# Altium PCB rt1062-ref.PcbDoc (part 1 of 4) (continued)
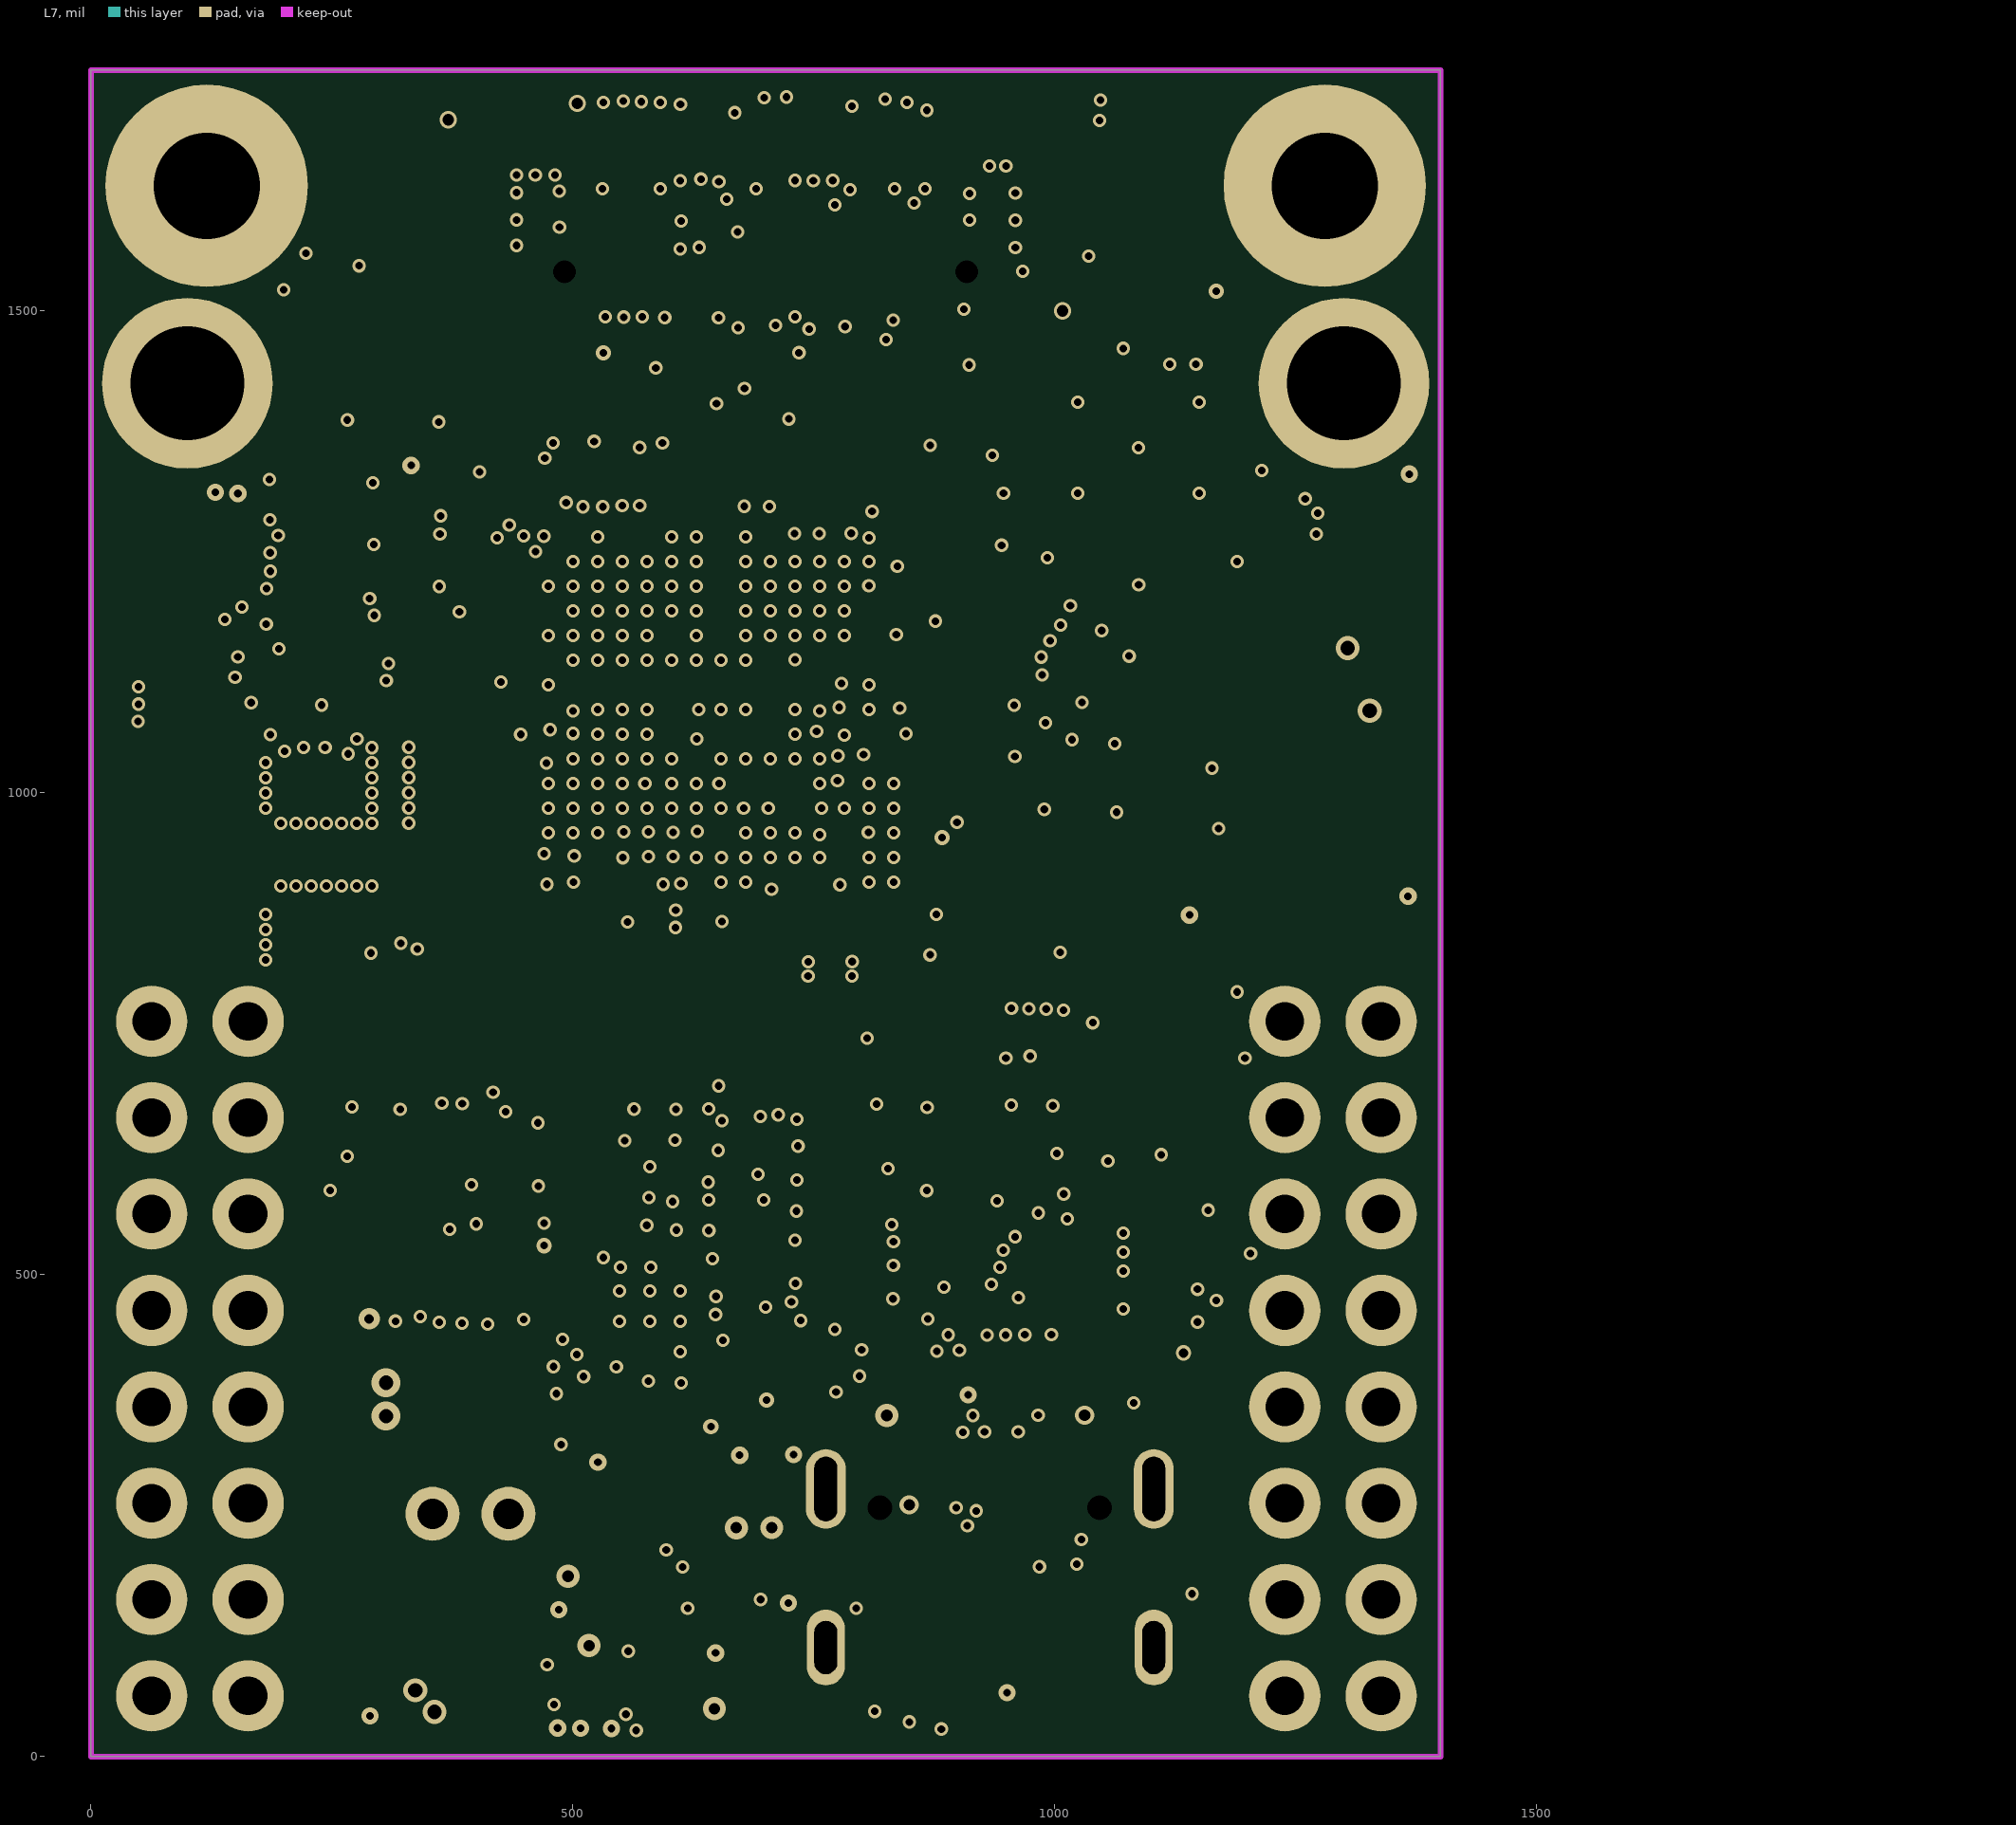
[diagram p7: L7]
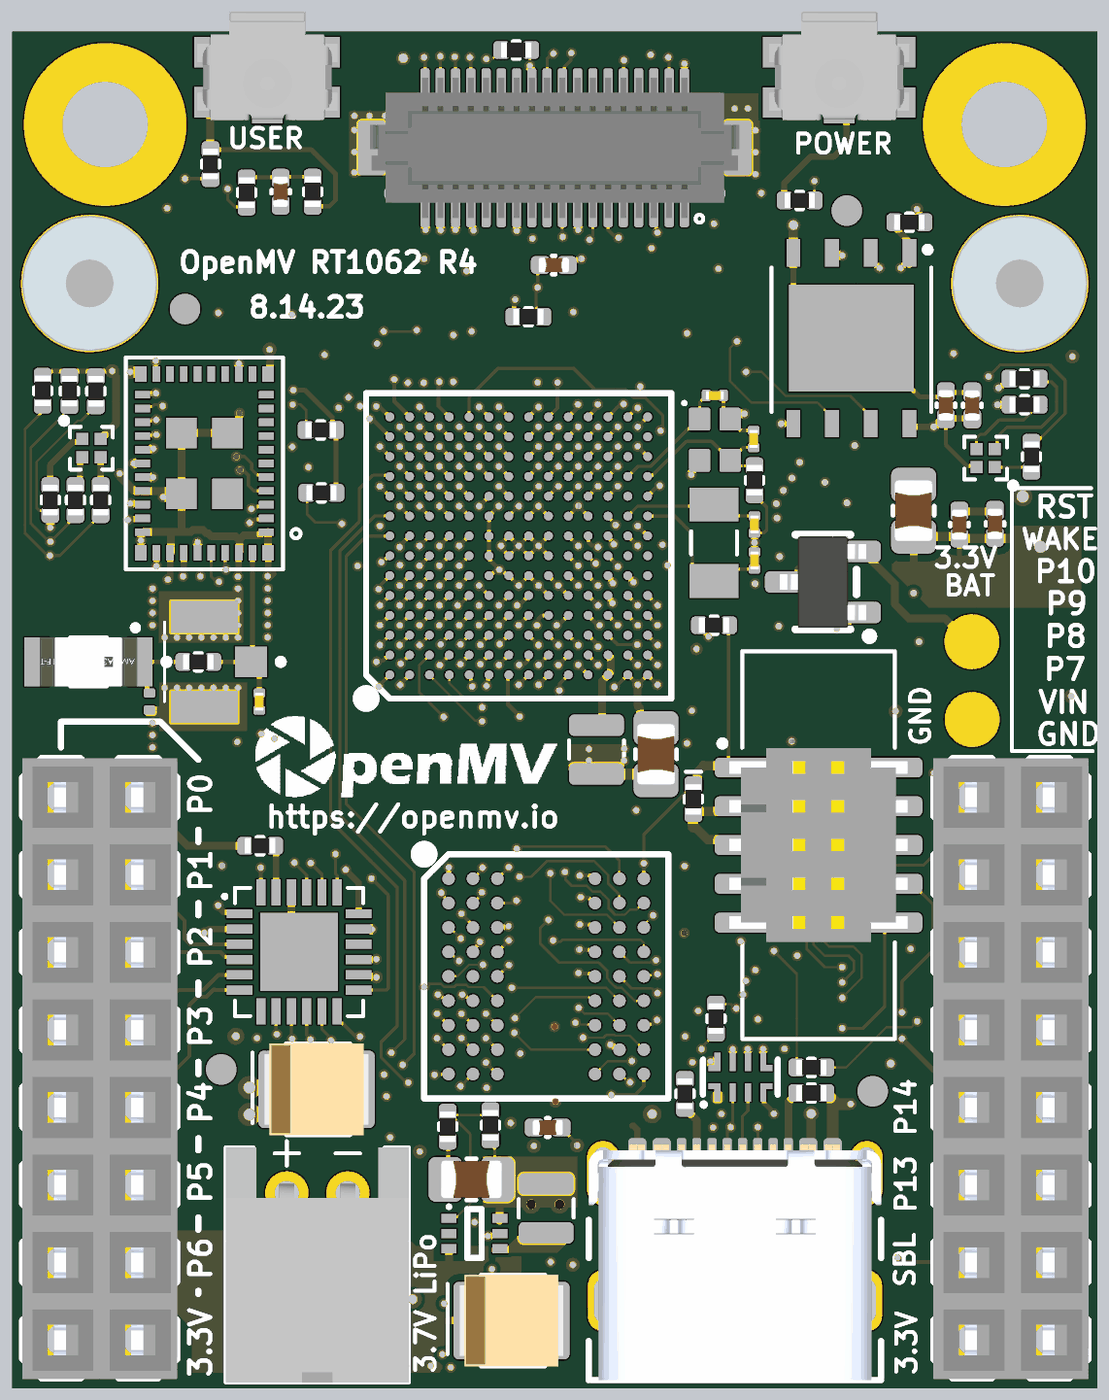
[diagram p11: 3D render of the assembled board from above, using the file's embedded part models]
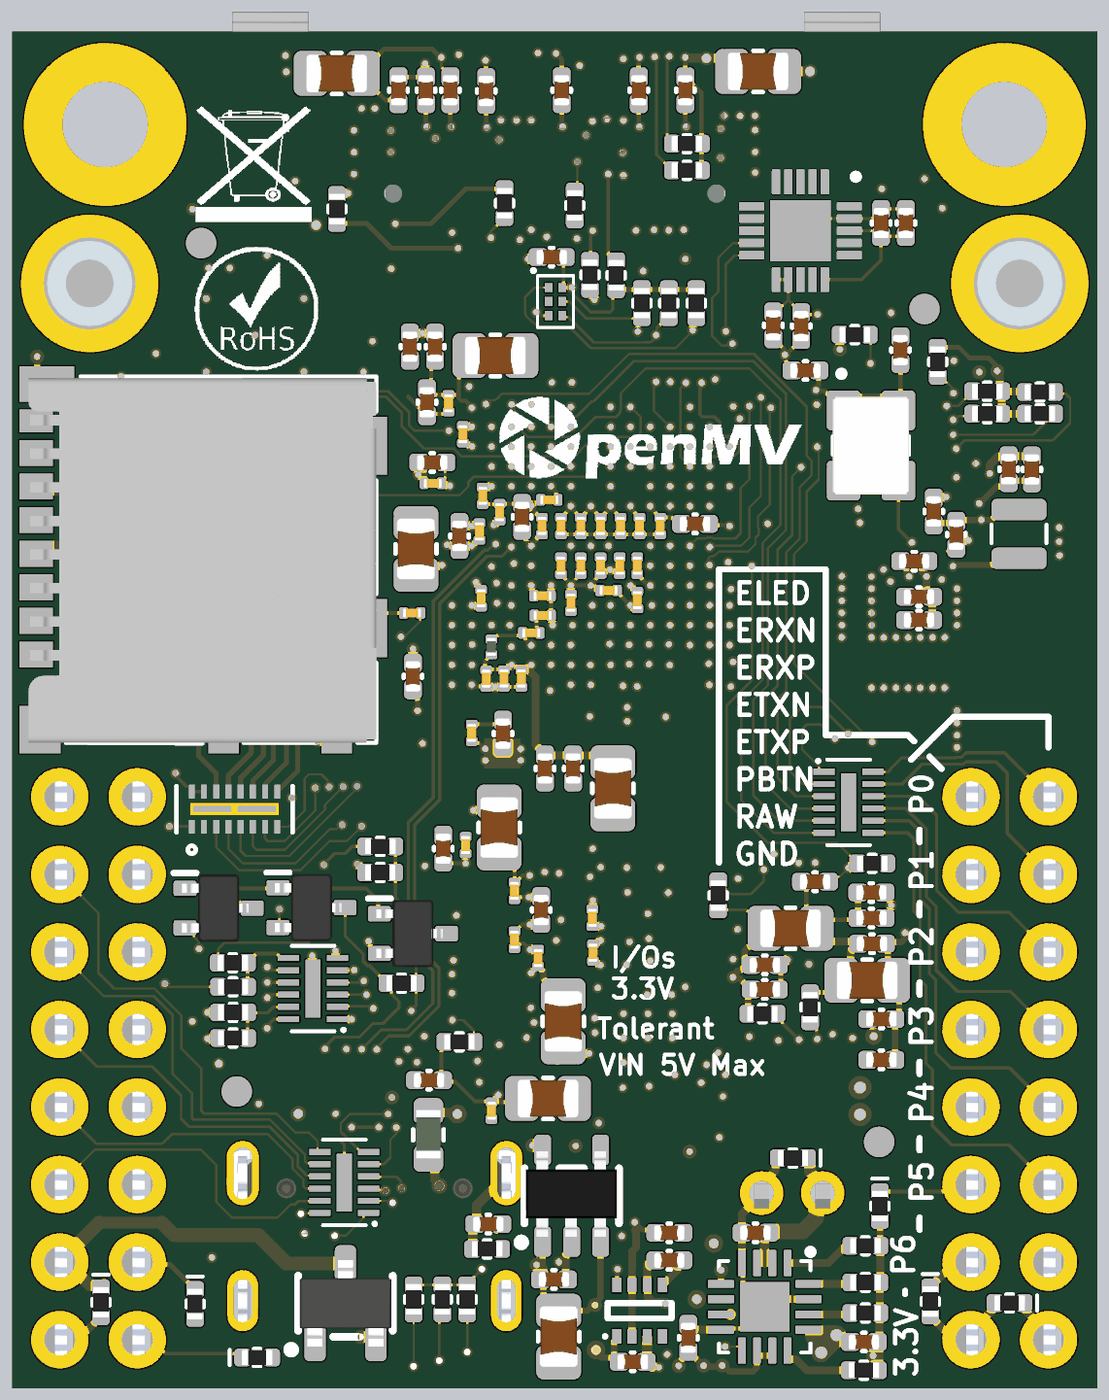
[diagram p12: 3D render of the assembled board from below, using the file's embedded part models]

## Layer stack, top to bottom
Top Solder: solder mask 0.4, Solder Resist, Dk 3.5
Top: signal copper 0.689
Dielectric 1: dielectric 2.874, FR-4, Dk 4.8
L2: signal copper 1.378
Dielectric 4: core 7.0866, FR-4, Dk 4.8
L3: signal copper 1.378
Dielectric2: dielectric 5.5118, FR-4, Dk 4.8
L4: signal copper 1.378
Dielectric 5: core 5.9059, FR-4, Dk 4.8
L5: signal copper 1.378
Dielectric 6: core 5.5118, FR-4, Dk 4.8
L6: signal copper 1.378
Dielectric3: dielectric 7.0866, FR-4, Dk 4.8
L7: signal copper 1.378
Dielectric 7: core 2.874, FR-4, Dk 4.8
Bottom: signal copper 0.7087
Bottom Solder: solder mask 0.4, Solder Resist, Dk 3.5

## Board outline
0,0 1400,0 1400,1750 0,1750

## Design rules (kind name [scope] priority, off if disabled: settings)
BoardOutlineClearance mdCopperDimension [All] p1: gap=3 ignorepadtopadclearanceinfootprint=FALSE except(5: SMDPad-OutlineEdge; 15: Arc-OutlineEdge Track-OutlineEdge THPad-OutlineEdge Via-OutlineEdge Fill-OutlineEdge Region-OutlineEdge; 20: Poly-OutlineEdge)
Clearance [All] p1: gap=4 ignorepadtopadclearanceinfootprint=FALSE except(5: SMDPad-Fill SMDPad-Poly SMDPad-Region; 7: THPad-Fill THPad-Poly THPad-Region)
ComponentClearance antenna [InComponent('J7') vs InComponent('L7')] p1: gap=0 collisioncheckmode=3 verticalgap=0 showdistances=FALSE
ComponentClearance Logos [InComponent('P1') or InComponent('P2') or InComponent('P3') or InComponent('P4') or InComponent('ANT1')   or InComponent('C78') or InComponent('C77')] p2: gap=0 collisioncheckmode=3 verticalgap=0 showdistances=FALSE
ComponentClearance "io headers" [InComponent('J2')      or InComponent('J3')        or InComponent('J9')] p3: gap=0 collisioncheckmode=3 verticalgap=0 showdistances=FALSE
ComponentClearance [All] p4: gap=5 collisioncheckmode=3 verticalgap=5 showdistances=FALSE
DiffPairsRouting [All] p1: maxlimit=4 minlimit=4 mostfreqgap=4 toplayer_minwidth=4 toplayer_maxwidth=4 toplayer_prefwidth=4 midlayer1_minwidth=4 midlayer1_maxwidth=4 midlayer1_prefwidth=4 midlayer2_minwidth=4 midlayer2_maxwidth=4 midlayer2_prefwidth=4 midlayer3_minwidth=4 midlayer3_maxwidth=4 midlayer3_prefwidth=4 midlayer4_minwidth=4 midlayer4_maxwidth=4 midlayer4_prefwidth=4 midlayer5_minwidth=4 midlayer5_maxwidth=4 midlayer5_prefwidth=4 midlayer6_minwidth=4 midlayer6_maxwidth=4 midlayer6_prefwidth=4 bottomlayer_minwidth=4 bottomlayer_maxwidth=4 bottomlayer_prefwidth=4 maxuncoupledlength=500
HoleSize HoleSize_For_NetClass_usb [InNetClass('usb')] p1: absolutevalues=TRUE maxlimit=5 minlimit=5 maxpercent=80.000 minpercent=20.000
HoleSize HoleSize_For_NetClass_mdio [InNetClass('mdio')] p2: absolutevalues=TRUE maxlimit=5 minlimit=5 maxpercent=80.000 minpercent=20.000
HoleSize HoleSize_For_NetClass_i2c [InNetClass('i2c')] p3: absolutevalues=TRUE maxlimit=5 minlimit=5 maxpercent=80.000 minpercent=20.000
HoleSize HoleSize_For_NetClass_sdcard [InNetClass('sdcard')] p4: absolutevalues=TRUE maxlimit=5 minlimit=5 maxpercent=80.000 minpercent=20.000
HoleSize HoleSize_For_NetClass_wifi [InNetClass('wifi')] p5: absolutevalues=TRUE maxlimit=5 minlimit=5 maxpercent=80.000 minpercent=20.000
HoleSize HoleSize_For_NetClass_mdi [InNetClass('mdi')] p6: absolutevalues=TRUE maxlimit=5 minlimit=5 maxpercent=80.000 minpercent=20.000
HoleSize HoleSize_For_NetClass_eth [InNetClass('eth')] p7: absolutevalues=TRUE maxlimit=5 minlimit=5 maxpercent=80.000 minpercent=20.000
HoleSize HoleSize_For_NetClass_flash [InNetClass('flash')] p8: absolutevalues=TRUE maxlimit=5 minlimit=5 maxpercent=80.000 minpercent=20.000
HoleSize HoleSize_For_NetClass_spi [InNetClass('spi')] p9: absolutevalues=TRUE maxlimit=5 minlimit=5 maxpercent=80.000 minpercent=20.000
HoleSize HoleSize_For_NetClass_dcmi [InNetClass('dcmi')] p10: absolutevalues=TRUE maxlimit=5 minlimit=5 maxpercent=80.000 minpercent=20.000
HoleSize HoleSize_For_NetClass_jtag [InNetClass('jtag')] p11: absolutevalues=TRUE maxlimit=5 minlimit=5 maxpercent=80.000 minpercent=20.000
HoleSize HoleSize_For_NetClass_sdram [InNetClass('sdram')] p12: absolutevalues=TRUE maxlimit=5 minlimit=5 maxpercent=80.000 minpercent=20.000
HoleSize HoleSize_For_NetClass_gnd [InNetClass('gnd')] p13: absolutevalues=TRUE maxlimit=5 minlimit=5 maxpercent=80.000 minpercent=20.000
HoleSize HoleSize_For_NetClass_power [InNetClass('power')] p14: absolutevalues=TRUE maxlimit=10 minlimit=10 maxpercent=80.000 minpercent=20.000
HoleSize [All] p15: absolutevalues=TRUE maxlimit=100000 minlimit=4 maxpercent=80.000 minpercent=20.000
HoleToHoleClearance mdDrill [All] p1: gap=3 allowstackedmicrovias=TRUE
MinimumSolderMaskSliver [All] p1 off: minsoldermaskwidth=10
PasteMaskExpansion Expansion_SMDPaste_OFF [InPadClass('SMDPaste_OFF')] p1: expansion=0
PasteMaskExpansion mlMinCreamFrame [All] p2: expansion=0
PolygonConnect 0402 [HasFootprint('0402-RES')  OR HasFootprint('0402-CAP')] p1: connectstyle=Relief reliefconductorwidth=6 reliefentries=4 polygonreliefangle="90 Angle" airgapwidth=10
PolygonConnect 0201 [HasFootprint('0201-RES')    OR HasFootprint('C0201')        OR HasFootprint('0201-CAP') OR HasFootprint('CAPC0603X33N')] p2: connectstyle=Relief reliefconductorwidth=4 reliefentries=4 polygonreliefangle="90 Angle" airgapwidth=6
PolygonConnect [All] p3: thpad.connectstyle=Relief thpad.reliefconductorwidth=10 thpad.reliefentries=4 thpad.polygonreliefangle="90 Angle" thpad.airgapwidth=10 smdpad.connectstyle=Relief smdpad.reliefconductorwidth=10 smdpad.reliefentries=4 smdpad.polygonreliefangle="90 Angle" smdpad.airgapwidth=10 via.connectstyle=Direct via.reliefconductorwidth=10 via.reliefentries=4 via.polygonreliefangle="90 Angle" via.airgapwidth=10
RoutingVias [All] p1: holewidth=8 width=14 viastyle="Through Hole" minholewidth=8 minwidth=14 maxholewidth=100 maxwidth=100
SolderMaskExpansion Expansion_SMDSolder_OFF [InPadClass('SMDSolder_OFF')] p1: expansion=0 istentingtop=FALSE
SolderMaskExpansion mlMinStopFrame [All] p2: expansion=2 istentingtop=FALSE
Width [All] p1: maxlimit=100 minlimit=3 preferedwidth=3 minimp=50.000000 maximp=50.000000 favimp=50.000000
24 further rules are at their usual default settings.

## Classes and differential pairs
component class wifi-bt: ANT1 C24 C74 C75 C76 C77 C78 C91 C92 C93 C113 J7 L7 L9 R60 R61 R62 R63 R64 R65 R66 U3 X1
component class usb: C110 FD1 FD2 FD3 FD4 FD5 FD6 FD7 FD8 FL1 J1 L1 M1 M2 P1 P2 P3 P4 R6 R7 R41
component class sensor-header: C32 C33 C39 C40 C42 C44 C51 C52 J4 L4 R24 R27 R28 R29 R30 R31 R53 R54
component class security-accelerometer: C20 C21 C26 C27 C111 C112 IC4 IC7 R15 R16 R17
component class sdram-16-bit: C11 C12 C13 C14 C15 C16 C17 C18 C19 C28 C29 C30 C31 IC3 R18
component class sd-card: C35 C36 C37 FL3 J5
component class regulators: C1 C2 C6 C7 D11 IC2 L2 Q1 Q2 Q3 R2 R3 R8 R22 R23 TP1 TP2 U1
component class qspi-flash: C22 C23 D3 IC5 R13 R19 R20 R21 R44 R45 R46
component class jtag: D10 FL5 J8 R37 R58 R59 R71 R72
component class io-headers: D4 D5 D7 D8 D13 D14 FL2 FL4 J2 J3 J6 J9 Q6 R55 R56 R57
component class ideal-diode: C3 C4 C5 C114 D1 IC1 R5 R14
component class ethernet: C65 C81 C82 C83 C84 C85 C89 C90 C96 IC9 L8 R34 R35 R36 R38 R39
component class battery-charging: C8 C9 C10 C116 CN1 D2 R1 R4 R9 R10 R11 R12 R42 R43 U2
net class DCMI: DCMI_CLK DCMI_D0 DCMI_D1 DCMI_D2 DCMI_D3 DCMI_D4 DCMI_D5 DCMI_D6 DCMI_D7 DCMI_FSIN DCMI_HSYNC DCMI_MISO DCMI_MOSI DCMI_PCLK DCMI_PWDN DCMI_RST DCMI_SCL DCMI_SCLK DCMI_SDA DCMI_SSEL DCMI_VSYNC
net class SDRAM: SDRAM_A0 SDRAM_A1 SDRAM_A2 SDRAM_A3 SDRAM_A4 SDRAM_A5 SDRAM_A6 SDRAM_A7 SDRAM_A8 SDRAM_A9 SDRAM_A10 SDRAM_A11 SDRAM_A12 SDRAM_BA0 SDRAM_BA1 SDRAM_CAS SDRAM_CKE SDRAM_CLK SDRAM_CS SDRAM_DQ0 SDRAM_DQ1 SDRAM_DQ2 SDRAM_DQ3 SDRAM_DQ4 SDRAM_DQ5 SDRAM_DQ6 SDRAM_DQ7 SDRAM_DQ8 SDRAM_DQ9 SDRAM_DQ10 SDRAM_DQ11 SDRAM_DQ12 SDRAM_DQ13 SDRAM_DQ14 SDRAM_DQ15 SDRAM_DQMH SDRAM_DQML SDRAM_RAS SDRAM_WE
component class mimxrt10xx: C25 C34 C38 C41 C43 C45 C46 C47 C48 C49 C50 C53 C54 C55 C56 C57 C58 C59 C60 C61 C62 C63 C64 C66 C67 C68 C69 C70 C71 C72 C73 C79 C80 C86 C87 C88 C94 C95 C97 C98 C99 C100 C101 C102 C103 C104 C105 C106 C107 C108 C109 IC8 L5 L6 R32 R33 R40 R67 R68 R69 R70 S1 S2 Y1 Y2
pad class SMDSolder_OFF: U3-43
pad class SMDPaste_OFF: FD1-1 FD2-1 FD5-1 FD6-1 J4-1 J4-2 J4-3 J4-4 J4-5 J4-6 J4-7 J4-8 J4-9 J4-10 J4-11 J4-12 J4-13 J4-14 J4-15 J4-16 J4-17 J4-18 J4-19 J4-20 J4-21 J4-22 J4-23 J4-24 J4-25 J4-26 J4-27 J4-28 J4-29 J4-30 J4-31 J4-32 J4-33 J4-34 J4-35 J4-36 U3-43
differential pair USB_D: +USB_D_P -USB_D_N

## Components (designator, comment, footprint, x,y, rotation, side; value= is the part's Value field where it differs from the comment)
ANT1 "AMCA31-2R450G-S1F-T3" ANTC3216X140N 98.43,937.01 r180 top locked
C1 "4.7uF" 0402-CAP 701.02,140.72 r0 bottom locked
C2 "4.7uF" 0402-CAP 690.94,336.61 r0 top locked
C3 "4.7uF" 0402-CAP 599.41,34.45 r180 bottom locked
C4 "4.7uF" 0402-CAP 552.17,200.79 r0 bottom locked
C5 "4.7uF" 0402-CAP 552.17,165.35 r0 bottom locked
C6 "22uF" 0805 694.88,66.93 r270 bottom locked
C7 "22uF" 0805 592.52,269.69 r180 top locked
C8 "4.7uF" 0402-CAP 441.05,200.86 r180 bottom locked
C9 "4.7uF" 0402-CAP 301.18,60.04 r0 bottom locked
C10 "4.7uF" 0402-CAP 527.69,65.35 r270 bottom locked
C11 "0.22uF" C0201 721.46,555.12 r270 bottom locked
C12 "4.7uF" 0402-CAP 717.52,617.13 r90 bottom locked
C13 "0.22uF" C0201 751.97,641.73 r270 bottom locked
C14 "22uF" 0805 688.98,473.43 r270 bottom locked
C15 "0.22uF" C0201 814.96,700.79 r90 bottom locked
C16 "0.22uF" C0201 651.47,607.07 r270 bottom locked
C17 "4.7uF" 0402-CAP 843.87,696.17 r270 bottom locked
C18 "22uF" 0805 771.65,723.43 r270 bottom locked
C19 "0.22uF" C0201 751.97,578.74 r270 bottom locked
C20 "0.1uF" 0402-CAP 279,1503 r90 bottom locked
C21 "4.7uF" 0402-CAP 247,1503 r270 bottom locked
C22 "0.1uF" 0402-CAP 1204.72,1267.89 r90 top locked
C23 "4.7uF" 0402-CAP 1238.7,1267.73 r270 top locked
C24 "0.1uF" 0402-CAP 376.56,1312.84 r0 bottom locked
C25 "4.7uF" 0402-CAP 346.46,1543.31 r90 top locked
C26 "0.1uF" 0402-CAP 704,1459 r0 bottom locked
C27 "4.7uF" 0402-CAP 698.82,1448.82 r180 top locked
C28 "0.22uF" C0201 650.59,562.01 r270 bottom locked
C29 "22uF" 0805 708.66,374.02 r180 bottom locked
C30 "4.7uF" 0402-CAP 862.2,397.64 r0 bottom locked
C31 "0.22uF" C0201 781.5,358.27 r90 bottom locked
C32 "22uF" 0805 437.61,1698.4 r180 bottom locked
C33 "4.7uF" 0402-CAP 866.14,1674.21 r90 bottom locked
C34 "0.22uF" C0201 679.14,1013.21 r270 bottom locked
C35 "4.7uF" 0402-CAP 1222,1114 r270 top locked
C36 "0.1uF" 0402-CAP 1268,1115 r90 top locked
C37 "22uF" 0805 1163,1132 r90 top locked
C38 "0.22uF" C0201 666.34,1112.2 r270 bottom locked
C39 "4.7uF" 0402-CAP 788.39,1673.23 r90 bottom locked
C40 "4.7uF" 0402-CAP 690.94,1674.21 r90 bottom locked
C41 "4.7uF" 0402-CAP 676.18,799.55 r90 bottom locked
C42 "4.7uF" 0402-CAP 591.54,1674.21 r90 bottom locked
C43 "0.22uF" C0201 715.55,997.05 r0 bottom locked
C44 "4.7uF" 0402-CAP 531.5,1674.21 r90 bottom locked
C45 "0.22uF" C0201 691.93,1112.2 r270 bottom locked
C46 "4.7uF" 0402-CAP 766.73,844.49 r270 bottom locked
C47 "0.22uF" C0201 807.09,845.47 r90 bottom locked
C48 "0.22uF" C0201 630.52,1029.11 r180 bottom locked
C49 "22uF" 0805 830.71,817.91 r270 top locked
C50 "0.22uF" C0201 818.43,1230.57 r90 bottom locked
C51 "22uF" 0805 981.3,1695.87 r0 bottom locked
C52 "4.7uF" 0402-CAP 834.65,1674.21 r90 bottom locked
C53 "0.22uF" C0201 593.5,1061.02 r90 bottom locked
C54 "0.22uF" C0201 715.72,1022.28 r0 bottom locked
C55 "0.22uF" C0201 765.59,915.53 r270 bottom locked
C56 "0.22uF" C0201 743.09,915.47 r270 bottom locked
C57 "4.7uF" 0402-CAP 712.6,799.55 r90 bottom locked
C58 "22uF" 0805 625,773.96 r90 bottom locked
C59 "0.22uF" C0201 836.97,1270.49 r270 bottom locked
C60 "4.7uF" 0402-CAP 864.75,1271.81 r90 bottom locked
C61 "22uF" 0805 776.54,1332 r0 bottom locked
C62 "0.22uF" C0201 730.32,974.41 r180 bottom locked
C63 "0.22uF" C0201 884.03,1000 r0 bottom locked
C64 "4.7uF" 0402-CAP 230,1021 r0 bottom locked
C65 "4.7uF" 0402-CAP 364.17,653.54 r180 bottom locked
C66 "0.22uF" C0201 707,1146 r180 bottom locked
C67 "4.7uF" 0402-CAP 519,1115 r180 bottom locked
C68 "0.22uF" C0201 590.55,1112.2 r90 bottom locked
C69 "0.22uF" C0201 771,1130 r90 bottom locked
C70 "0.22uF" C0201 792.84,1151.1 r270 bottom locked
C71 "0.22uF" C0201 716.5,1112.2 r90 bottom locked
C72 "4.7uF" 0402-CAP 742.08,1123.98 r270 bottom locked
C73 "22uF" 0805 879,1082.63 r270 bottom locked
C74 "0.1uF" 0402-CAP 182,1101 r270 bottom locked
C75 "0.1uF" 0402-CAP 84.39,1185.13 r90 bottom locked
C76 "0.1uF" 0402-CAP 236.22,1066.93 r0 bottom locked
C77 "GRM0335C1H1R5BA01D" CAPC0603X33N 318.9,885.83 r270 top locked
C78 "DNP" C0201-NO-3D 177.17,885.83 r270 top locked
C79 "18pF" C0201 957.68,1067.74 r90 top locked
C80 "18pF" C0201 957.68,1114.17 r270 top locked
C81 "0.1uF" 0402-CAP 290.73,573.64 r0 bottom locked
C82 "4.7uF" 0402-CAP 278.66,423.88 r180 bottom locked
C83 "4.7uF" 0402-CAP 291.56,639.61 r180 bottom locked
C84 "0.1uF" 0402-CAP 291.43,606.73 r0 bottom locked